# Altium PCB DM3370.PcbDoc (part 5 of 9) (continued)
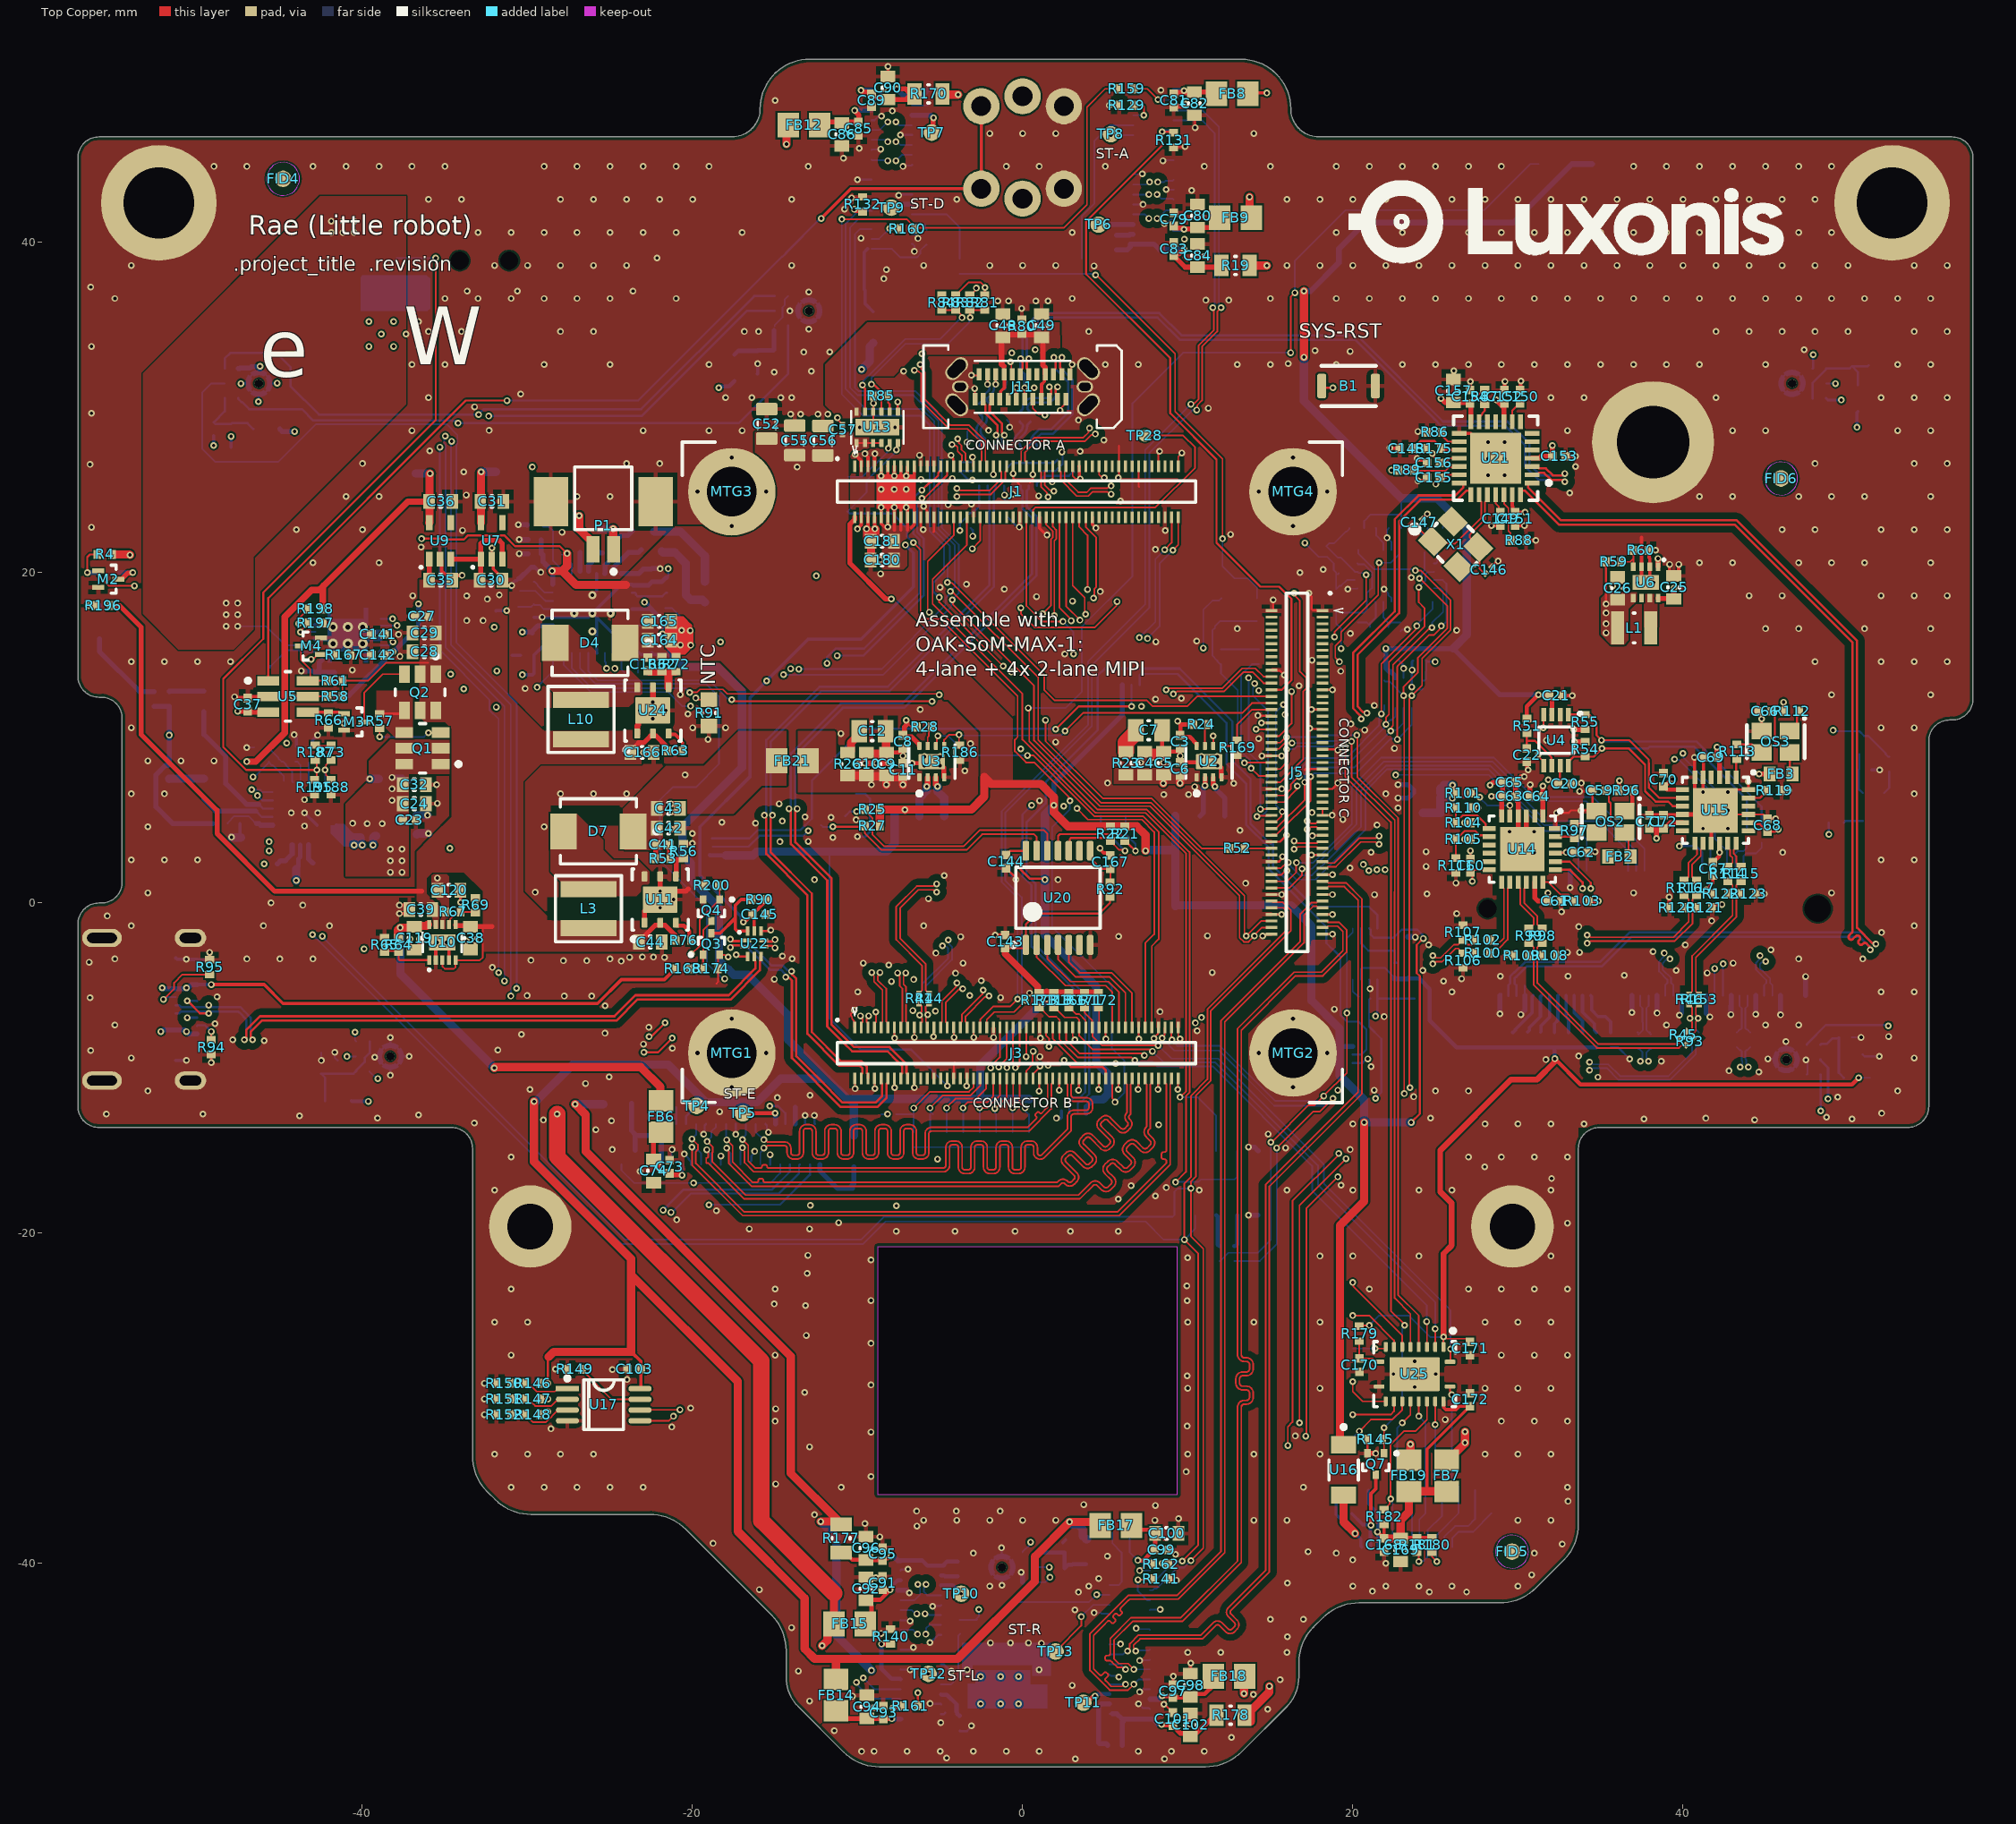
[diagram p0: Top Copper view]
## Nets (pads, with @x,y where several pads share a name; then routed paths per layer and width w, separated by ;. In a path a pad name is that pad's centre, name@x,y a point inside that pad or via, vN(x,y) a via of type N, cw(c..) or ccw(c..) an arc to the next point about the centre after c; other vN are vias at no path point) (continued)
  Bottom Copper w0.125: v1(-47.35,31.45) -47.341,31.459 MIC3.3@-46.928,31.459 ; v1(-46.3,30.35) -46.283,30.367 -46.283,30.785 MIC3.3@-46.293,30.796 ; MIC3.3@-45.596,31.457 -45.17,31.457 v1(-45.151,31.476) ; v1(-42.483,-9.554) C106.1@-42.483,-9.079 ; v1(-41.671,-9.055) -41.671,-9.379 C107.1@-41.5,-9.55 ; v1(-39.25,-9.35) -39.225,-9.325 -38.987,-9.325 MIC2.3@-38.963,-9.3 ; v1(-38.3,-10.45) MIC2.3@-38.3,-9.962 ; MIC2.3@-38.3,-8.637 v1(-38.3,-8.162) ; MIC2.3@-37.638,-9.3 v1(-37.162,-9.3) ; v1(-1.281,-39.071) -1.266,-39.087 -1.266,-39.572 MIC5.3@-1.25,-39.588 ; v1(-1.25,-41.337) MIC5.3@-1.25,-40.913 ; J10.4@0.263,-44.05 J10.4@0.263,-43.612
  Bottom Copper w0.127: U19.25@-23.657,19.287 U19.25@-23.605,19.234 ; v1(-21.808,16.292) -21.808,16.586 C126.1@-21.657,16.737 ; R165.1@-21.557,19.687 -21.462,19.782 v1(-21.462,20.237) ; v1(-20.499,-15.217) -20.494,-15.217 -20.218,-15.493 -20.218,-15.539 -20.082,-15.675 J13.27@-20.082,-15.85 ; v1(-19.318,-14.01) -19.318,-13.935 -19.261,-13.878 -19.261,-13.487 J13.24@-19.175,-13.4 ; J13.21@-18.282,-15.85 -18.28,-15.848 -18.28,-15.335 v1(-18.278,-15.332) v1@-18.278,-15.328 ; v1(-17.375,-14.025) J13.18@-17.375,-13.4 ; J13.15@-16.482,-15.675 -16.43,-15.622 -16.43,-15.334 -16.229,-15.134 v1(-16.229,-15.058) ; J13.12@-15.575,-13.4 -15.488,-13.487 -15.488,-13.736 -15.4,-13.824 v1(-15.4,-13.9) ; v1(-15.3,-15.25) -15.291,-15.259 -15.291,-15.841 J13.11@-15.282,-15.85 ; J13.4@-13.175,-13.4 v1(-13.175,-12.875) ; v1@-12.616,-12.834 v1(-12.616,-12.875) -12.596,-12.896 -12.596,-13.379 J13.2@-12.575,-13.4 ; v1(-10.35,42.7) -10.274,42.7 -10.182,42.607 J15.11@-9.15,42.607 ; v1@-10.1,4 -9.537,4 -9.25,4.287 J8.4@-9.25,5.25 -9.25,6.313 -9.537,6.6 -10.1,6.6 ; v1(-10,43.8) -9.996,43.804 -9.154,43.804 J15.15@-9.15,43.807 ; J15.21@-9.15,45.607 -9.129,45.629 -8.621,45.629 v1(-8.6,45.65) ; J15.27@-9.15,47.407 -8.975,47.407 -8.733,47.65 v1(-8.55,47.65) ; J15.31@-9.15,48.607 -8.975,48.607 -8.445,49.137 -8.445,49.286 v1(-8.392,49.34) ; v1(-7.5,42.845) -7.424,42.845 -7.37,42.9 J15.12@-6.7,42.9 ; v1(-7.397,46.504) -7.396,46.502 -6.702,46.502 J15.24@-6.7,46.5 ; J16.11@-7.387,-46.435 -7.38,-46.443 -6.82,-46.443 v1(-6.813,-46.45) ; J16.15@-7.387,-45.235 -6.823,-45.235 -6.688,-45.1 v1(-6.613,-45.1) ; J16.21@-7.387,-43.435 -7.355,-43.468 -6.845,-43.468 v1(-6.813,-43.5) ; J16.31@-7.387,-40.435 -7.348,-40.396 -6.974,-40.396 v1(-6.935,-40.357) ; v1(-7.25,44.6) -7.2,44.65 -6.75,44.65 J15.18@-6.7,44.7 ; v1(-5.613,-44.8) -5.57,-44.8 -5.113,-44.342 J16.18@-4.938,-44.342 ; v1(-5.6,-48.5) -5.579,-48.521 -4.959,-48.521 J16.4@-4.938,-48.542 ; v1(-5.444,-42.612) -5.409,-42.577 -4.972,-42.577 J16.24@-4.938,-42.542 ; J16.2@-4.938,-49.142 -4.763,-49.142 J16.2@-4.676,-49.056 ; J16.12@-4.938,-46.142 -4.763,-46.142 -4.355,-46.55 v1(-4.3,-46.55) ; R138.2@-3.813,-50.139 -3.788,-50.164 -3.364,-50.164 -3.1,-49.9 v1(-3.1,-49.845) ; C46.1@-3.8,26.71 -3.77,26.68 -3.055,26.68 U12.11@-3.025,26.65 ; C45.1@-0.95,23.4 -0.359,22.809 -0.253,22.809 v1(-0.2,22.755) ; U12.21@-0.875,26.4 -0.625,26.65 U12.20@1.275,26.65 1.94,26.65 2.1,26.81 C47.1@2.1,26.83 ; -0.75,2.7 -0.75,1.75 v1(-0.4,1.4) ; U12.5@-0.625,25.25 -0.615,25.24 -0.615,24.78 v1@-0.582,24.748 ; v1(-0.605,24.753) v1@-0.551,24.699 ; U23.2@21,-4.65 21.025,-4.675 21.025,-5.18 v1(21.05,-5.205) ; C2.1@22.805,14.667 C2.1@23.002,14.47 ; U1.6@23.079,13.622 v1(23.079,14.19) v1@23.079,14.266 ; v1(23.579,13.071) U1.7@23.579,13.622 23.579,14.59 C1.1@23.6,14.612 ; v1(23.6,14.1) C1.1@23.6,14.612 ; C1.1@23.65,14.672 23.6,14.622 C1.1@23.6,14.612 ; C1.1@23.655,14.667 C1.1@23.6,14.612 ; J9.1@28.925,-5.625 J9.1@29.012,-5.539 ; J9.7@30.425,-5.625 J9.7@30.425,-5 ; R36.2@35.625,-8.75 36.06,-8.75 v1(36.774,-9.465) ; v1@38.691,-9.6 v1(38.691,-9.596) ; v1(45.15,-9.45) 45.569,-9.45 45.602,-9.484 MIC1.3@45.602,-9.5 ; v1(46.25,-8.4) 46.257,-8.407 46.257,-8.83 MIC1.3@46.265,-8.837 ; MIC1.3@46.265,-10.162 MIC1.3@46.282,-10.18 ; v1(47.458,-9.514) 47.458,-9.589 47.55,-9.682 47.55,-10.367 MIC1.2@47.517,-10.4 ; C105.1@50.25,-8.15 v1(50.8,-8.15) ; C104.1@50.9,-9.2 51,-9.3 v1(51.9,-9.3) ; C2.1@23.002,14.47 23.079,14.393 v1@23.079,14.266 ; C2.1@23.002,14.47 23.002,14.343 v1@23.079,14.266
  Bottom Copper w0.2: J12.B12@-51.3,-9.55 v1(-50.65,-9.55) ; J12.B1@-51.3,-3.35 -51.232,-3.418 v1(-50.661,-3.418) -50.645,-3.434 -50.016,-3.434 J12.A12@-50,-3.45 -49.5,-3.45 -49.289,-3.239 -49.289,-3.039 v1(-49.25,-3) ; v1(-49,27.7) C108.1@-49,28.3 ; C109.1@-47.95,27.6 v1(-47.95,28.25) ; R194.1@-47.4,4.8 -47.4,4 C139.2@-47.35,3.95 ; v1(-44.129,10.177) -44.129,10.122 -44,9.993 R192.1@-44,9.45 ; U8.28@-43.5,5.45 U8.25@-42.75,4.7 ; R190.1@-43.15,9.45 -43.145,9.45 -43.02,9.575 -43.02,9.844 v1(-42.71,10.154) ; U8.18@-41.565,4.2 C117.1@-40.661,4.2 ; U8.17@-41.565,4.7 -41.535,4.67 -41.131,4.67 C117.1@-40.661,4.2 ; C117.1@-40.5,3.95 C117.1@-40.5,4.05 ; C117.1@-40.3,4.05 C117.1@-40.5,4.05 ; C127.1@-31.907,17.687 -31.893,17.701 v1(-31.246,17.701) ; v1@-30.984,19.046 -30.984,19.207 -30.905,19.286 -30.905,19.331 -30.724,19.512 -30.632,19.512 R164.1@-30.507,19.637 ; -30.909,14.987 C133.1@-30.407,14.987 ; C128.1@-29.607,17.287 U19.12@-28.457,17.287 -26.307,17.287 v3(-26.057,17.537) ; R163.1@-29.607,20.337 -29.557,20.337 -29.239,20.019 v1(-29.184,20.019) ; v3(-26.057,18.637) -25.807,18.887 U19.21@-25.807,19.937 ; U19.4@-25.796,15.125 U19.4@-25.807,15.137 U19.33@-25.807,17.287 ; U19.2@-24.807,15.137 -24.807,16.287 U19.33@-25.807,17.287 ; U19.25@-23.657,19.287 -24.307,19.287 v3(-26.057,17.537) ; C138.1@-22.457,15.837 -22.312,15.983 -22.117,15.983 v1(-21.808,16.292) ; C114.1@-16.062,32.034 -16.05,32.034 v1(-16.05,32.65) ; v1(2.05,-13.05) 2.3,-13.05 2.35,-13 J6.6@2.35,-12.75 J6.6@2.35,-12.624 ; C112.1@2.44,-38.747 C112.1@2.6,-38.587 ; C19.1@51.45,8.05 v1(51.92,8.05) ; C117.1@-40.661,4.2 -40.65,4.2 C117.1@-40.5,4.05 ; C117.1@-40.661,4.2 -40.656,4.194 -40.65,4.194 -40.511,4.056 -40.511,4.05 C117.1@-40.5,4.05 ; v3(-26.057,17.537) U19.33@-25.807,17.287
  Bottom Copper w0.27: U19.25@-23.605,19.234 -23.077,19.234 -23.071,19.24 -22.654,19.24 C135.1@-22.457,19.437 -21.857,19.437 -21.607,19.687 R165.1@-21.557,19.687
  Bottom Copper w0.3: MIC3.2@-47.517,32.359 -47.427,32.359 -47.406,32.38 -46.806,32.38 -46.706,32.48 v1@-46.22,32.48 ; MIC3.3@-46.265,32.121 -46.22,32.166 v1@-46.22,32.48 ; v1(-46.2,32.5) v1@-46.22,32.48 ; v1(-43.7,14.05) -43.68,14.03 -42.98,14.03 C34.1@-42.9,13.95 C34.1@-42.8,13.95 ; U18.9@-42.86,16 -41.75,16 ; U18.11@-42.85,16.8 -42.01,16.8 -41.91,16.7 v4(-41.775,16.7) ; -42.45,14.7 -42.6,14.55 -42.6,14.15 C34.1@-42.8,13.95 ; C33.1@-41.7,13.95 C34.1@-42.8,13.95 ; U18.13@-40.15,16 U18.4@-38.9,16 ; v4(-39.975,15.7) v4@-39.894,15.7 ; -39.975,16.4 U18.3@-38.89,16.4 ; v4(-39.975,16.7) v4@-39.894,16.7 ; v1(-30.55,22.9) -30.543,22.893 -30.014,22.893 C129.1@-30.007,22.887 ; R164.1@-30.507,19.637 -30.457,19.637 R164.1@-30.382,19.712 ; v1(-30.5,21.15) -30.493,21.143 -29.964,21.143 C137.1@-29.957,21.137 ; v1(-30.5,22) -30.493,21.993 -29.964,21.993 C136.1@-29.957,21.987 ; -30.257,19.887 -30.382,19.762 R164.1@-30.382,19.712 ; R163.1@-29.607,20.337 -29.757,20.337 R164.1@-30.382,19.712 ; J16.27@-7.567,-41.63 -7.061,-41.63 -6.912,-41.78 v1@-6.883,-41.78 ; v1(-0.08,-40.557) -0.08,-40.58 -0.01,-40.65 -0.01,-41.138 MIC5.2@0.002,-41.15 ; v1(13.686,-18.918) J4.10@14.266,-18.918 ; v1(13.686,-14.79) 14.041,-14.79 14.271,-15.02 J4.9@14.271,-15.023 ; v1(22.75,6.35) 23.375,6.35 23.7,6.675 C18.1@23.7,6.75 23.7,6.825 23.375,7.15 v1(22.75,7.15) ; v1(28.92,-6.726) 28.925,-6.721 J9.1@28.925,-5.625 ; v1(30.185,-6.768) 30.185,-6.739 30.425,-6.499 J9.7@30.425,-5.625 ; v1(33.175,0.925) J9.18@33.175,1.925 ; v1(36.91,-6.642) 36.925,-6.626 J9.33@36.925,-5.625 ; J9.39@38.425,-5.625 38.425,-6.661 v1(38.442,-6.678) ; v1(39.802,-6.811) 39.802,-6.782 39.925,-6.658 J9.45@39.925,-5.625 ; J9.51@41.425,-5.625 41.425,-6.691 41.642,-6.909 v1(41.642,-6.916) ; v1(42.918,-6.767) 42.918,-6.257 42.925,-6.25 J9.57@42.925,-5.625 ; v1(44.415,-6.755) 44.425,-6.745 J9.63@44.425,-5.625 ; v1(45.924,-6.788) v1(45.924,-6.788) J9.69@45.925,-5.625 ; J9.75@47.425,-5.625 47.425,-4.477 v1(47.44,-4.462)
  Bottom Copper w0.35: C158.1@23.35,-2.05 23.371,-2.071 23.775,-2.071 v1(23.786,-2.082)
  Bottom Copper w0.5: v1(-47.928,3.972) -47.907,3.95 C139.2@-47.35,3.95 ; v1(-40.5,3.5) -40.5,3.95 -40.1,3.95 -40.1,3.6 v1(-40,3.5) ; v1(-39.55,7.5) C140.1@-39,7.5 ; v1(-39.35,3.5) -39.35,3.95 -39.25,4.05 C116.1@-39.15,4.05 ; C58.1@-36.7,4.15 -36.65,4.2 v1(-36,4.2) ; C40.1@-36.7,5.3 v1(-36.05,5.3)
  other v1: 3.2,-51.85 8.6,-51.85 -4.6,-51.8 -9.75,-51.4 -8.988,-51.398 -6.988,-51.398 -4.988,-51.398 -2.988,-51.398 -0.988,-51.398 1.012,-51.398 7.012,-51.398 9.012,-51.398 11.012,-51.398 12.65,-50.55 -11.4,-50.15 -4.95,-49.655 14.85,-48.85 -8.963,-48.731 -12.9,-48.35 -10.313,-48.05 13.985,-47.95 3.012,-47.398 15.6,-47.05 -13.582,-46.534 -3.35,-46.45 1,-46.45 10.012,-45.398 12.012,-45.398 16.012,-45.398 1.15,-44.85 -1.942,-44.821 -0.733,-44.821 0.358,-44.821 16.05,-44.45 -8.565,-44.254 -14,-43.9 15.012,-43.398 17.012,-43.398 3.169,-42.834 -6.863,-41.8 3.382,-41.751 24.65,-41.75 26.9,-41.75 21.2,-41.7 -15.95,-41.6 -1.988,-41.398 4.012,-41.398 20.012,-41.398 22.012,-41.398 24.012,-41.398 26.012,-41.398 30.012,-41.398 16.05,-41.2 4.616,-40.925 -8.887,-40.872 30.85,-40.7 22.009,-40.008 20,-39.8 5.135,-39.575 -2.988,-39.398 19.012,-39.398 31.012,-39.398 17.3,-39.3 32.7,-38.85 -18.75,-38.8 -8.65,-38.4 -6.4,-37.75 -9.55,-37.6 -5.988,-37.398 -3.988,-37.398 -1.988,-37.398 0.012,-37.398 2.012,-37.398 8.012,-37.398 14.012,-37.398 16.012,-37.398 30.012,-37.398 32.012,-37.398 9.45,-37.3 -12.603,-37.065 -6.413,-36.85 -4.013,-36.85 -1.363,-36.85 8.05,-36.5 3.7,-36.45 33.05,-36.25 -30.988,-35.398 -28.988,-35.398 -26.988,-35.398 -24.988,-35.398 -22.988,-35.398 -10.988,-35.398 17.012,-35.398 33.012,-35.398 -14.95,-35.2 -9.176,-34.752 9.906,-34.46 -31.988,-33.398 -29.988,-33.398 -27.988,-33.398 -25.988,-33.398 10.012,-33.398 14.012,-33.398 18.012,-33.398 28.012,-33.398 30.012,-33.398 32.012,-33.398 -12.9,-32.95 16.521,-32.293 -9.176,-32.058 -28.57,-31.858 -21.25,-31.75 9.979,-31.7 -14.988,-31.398 29.012,-31.398 31.012,-31.398 33.012,-31.398 25.6,-31.3 -32.6,-31 -14.95,-30.65 -20.1,-30.6 -32.6,-30.05 -13.2,-29.65 10.012,-29.398 18.012,-29.398 28.012,-29.398 30.012,-29.398 32.012,-29.398 -9.176,-29.207 -32.6,-29.1 -27.595,-28.862 -23.967,-28.878 9.979,-28.65 -24.843,-28.279 -28.3,-28.25 -30.988,-27.398 -14.988,-27.398 29.012,-27.398 31.012,-27.398 33.012,-27.398 -9.176,-26.684 -13.1,-26.2 -31.988,-25.398 -29.988,-25.398 10.012,-25.398 14.012,-25.398 18.012,-25.398 28.012,-25.398 30.012,-25.398 32.012,-25.398 -13.15,-24.4 -15.05,-24.3 -9.176,-24.089 9.979,-24.1 -30.988,-23.398 -14.988,-23.398 21.012,-23.398 27.012,-23.398 29.012,-23.398 31.012,-23.398 33.012,-23.398 9.955,-23.197 -13.05,-22.45 -9.176,-21.63 10,-21.5 18.012,-21.398 20.012,-21.398 24.012,-21.398 32.012,-21.398 -13,-21.35 -4.1,-19.9 -0.45,-19.9 2.9,-19.9 5.8,-19.9 -16.55,-19.75 -12.9,-19.75 33.012,-19.398 -11.143,-19.375 -20.95,-19.2 -18.55,-18.65 -7.65,-18.35 -12.86,-18.324 5.795,-17.949 8.05,-17.75 -31.988,-17.398 10.7,-17.4 16.012,-17.398 20.012,-17.398 24.012,-17.398 26.012,-17.398 32.012,-17.398 8.707,-17.252 6.578,-17.126 19.3,-17.1 32.05,-16.7 -23.164,-16.268 -5.15,-15.524 -30.988,-15.398 27.012,-15.398 29.012,-15.398 31.012,-15.398 33.012,-15.398 -24.85,-14.95 19.85,-14.95 15.933,-14.847 14.886,-14.006 -25.85,-13.75 8.25,-13.45 20.012,-13.398 28.012,-13.398 30.012,-13.398 32.012,-13.398 34.012,-13.398 -33.217,-13.338 -24.9,-13.2 -29.027,-13.157 44.35,-13.15 37.65,-13.1 50.25,-13.1 -39.074,-13.033 24.724,-13.033 41.4,-13.05 48.701,-12.99 -43.8,-12.9 -36.598,-12.845 -55.5,-12.8 -49.65,-12.8 52.05,-12.75 -18.35,-12.65 -14.85,-11.8 49.383,-11.771 23.7,-11.75 -12.871,-11.652 -52.988,-11.398 25.012,-11.398 27.012,-11.398 53.012,-11.398 19.1,-11.35 21.3,-11.35 -29.85,-11.3 -26.474,-10.94 -25.05,-10.55 34.862,-10.56 44.6,-10.25 42.796,-10.176 21.118,-9.926 1.55,-9.85 31.7,-9.5 -53.988,-9.398 54.012,-9.398 1.046,-9.317 33.686,-9.284 -56.45,-8.95 -31.786,-8.918 -21.212,-8.81 -22.966,-8.56 -45.95,-8.35 -47.85,-8.3 52.461,-8.095 -30.353,-7.975 -25.3,-7.9 10.577,-7.761 -22.64,-7.538 -54.988,-7.398 39.012,-7.398 45.012,-7.398 47.012,-7.398 -48.926,-7.327 21.91,-6.9 8.331,-6.596 18.886,-6.446 -25.285,-6.241 -56.5,-5.75 -48.8,-5.7 -27.767,-5.652 -26.1,-5.65 -30.014,-5.626 -3.204,-5.619 0.42,-5.467 -9.988,-5.398 26.012,-5.398 52.012,-5.398 54.012,-5.398 -7.947,-4.764 25.5,-4.75 -2.504,-4.719 -6.6,-4.65 -15.032,-4.63 26.6,-4.6 28.95,-4.45 33.05,-4.45 36.45,-4.4 -4.054,-4.269 41.477,-4.247 11.491,-4.218 24.25,-4.1 39.6,-4.1 -32.121,-3.914 -8.104,-3.773 -9.65,-3.65 -3.6,-3.65 43.05,-3.65 -56.55,-3.6 -24.309,-3.535 -27.822,-3.51 -26.397,-3.51 -29.782,-3.479 -54.988,-3.398 -46.988,-3.398 -44.988,-3.398 -42.988,-3.398 -24.988,-3.398 -13.96,-3.385 47.012,-3.398 50.9,-3.4 -21.698,-3.306 -23.809,-3.302 -23.033,-3.284 -22.356,-3.292 -14.545,-3.221 29.348,-3.143 -5.25,-3.05 33,-3 33.75,-3 38.2,-2.95 45.337,-2.85 24.6,-2.55 40.15,-2.55 -35.45,-2.4 -34.9,-2.4 -3.75,-2.05 5.819,-2.036 11.2,-2 52.044,-1.798 33.7,-1.45 -53.988,-1.398 -45.988,-1.398 -41.988,-1.398 -5.988,-1.398 54.012,-1.398 41.75,-1.1 -55.45,-0.8 26.3,-0.65 32.65,-0.55 -43.6,-0.15 -45.527,0.003 -5.7,0.25 21.317,0.497 24.508,0.546 -52.988,0.602 37.012,0.602 49.012,0.602 -29.526,0.639 13.517,1.18 26.25,1.2 2.148,1.396 -12.6,1.4 -4.75,1.65 19.838,2.118 24.45,2.2 -53.988,2.602 -51.988,2.602 -49.988,2.602 52.012,2.602 54.012,2.602 29.498,3.027 30.998,3.027 21.116,3.063 46.05,3.05 34.684,3.091 24.45,3.1 -20,3.6 -14.7,3.7 -12.979,3.718 -11.5,3.95 -10.01,4.013 -20,4.2 29.498,4.307 30.998,4.307 13.176,4.393 41.225,4.5 42.725,4.5 -52.988,4.602 -28.988,4.602 21.475,4.714 -16.176,4.828 -18.219,4.872 -14.55,4.95 -10.078,5.029 19.4,5.05 -11.595,5.174 -13.184,5.204 17.534,5.459 41.225,5.6 42.725,5.6 22.75,5.75 2.492,5.859 -14.75,6 -35.457,6.027 1.023,6.185 8.555,6.56 10.062,6.56 -53.988,6.602 -51.988,6.602 -27.988,6.602 -25.988,6.602 -23.988,6.602 22.012,6.602 54.012,6.602 10.421,7.028 -35.5,7.15 5.15,7.25 12.787,7.24 -3.5,8 7.95,8.5 -52.988,8.602 -50.988,8.602 -48.988,8.602 -5.95,8.85 -5,8.85 10.85,8.85 11.8,8.85 -0.114,9.325 22.531,9.361 -3.157,9.634 2.003,9.737 31.75,9.85 -19.05,9.9 14.3,9.95 -11,10.25 20.723,10.467 -53.988,10.602 -19.988,10.602 -17.988,10.602 52.012,10.602 54.012,10.602 19.894,10.827 -41.114,10.865 15.9,11.4 -20.269,11.441 -6.2,11.7 -31.885,11.85 7.2,11.9 21.314,11.948 8.056,12.326 9.62,12.388 -20.743,12.61 49.012,12.602 55.012,12.602 14.311,12.855 -33.85,12.95 -30.13,12.975 16.75,13.15 -34.65,13.85 -0.67,13.976 19.278,14.024 -31.85,14.05 -40.6,14.1 -24.703,14.187 -14.051,14.182 -53.988,14.602 -51.988,14.602 -49.988,14.602 -47.988,14.602 48.012,14.602 52.012,14.602 54.012,14.602 56.012,14.602 17.538,14.699 -37.717,14.92 2.557,15.067 -18.3,15.8 8.081,15.81 10.55,15.85 -37.8,16.25 19.855,16.313 26.3,16.5 13.012,16.602 45.012,16.602 47.012,16.602 51.012,16.602 55.012,16.602 -32,16.7 -29.1,17.3 3.024,18.277 0.85,18.55 -36.95,18.6 44.012,18.602 46.012,18.602 52.012,18.602 54.012,18.602 56.012,18.602 4.703,18.853 -1.1,19 -5,19.1 -3.4,19.3 23.55,19.7 -12.5,19.8 -8.6,19.932 16.8,20 18.209,20.188 -42.988,20.602 -38.988,20.602 41.012,20.602 43.012,20.602 47.012,20.602 49.012,20.602 51.012,20.602 55.012,20.602 8.05,21.4 -32.153,21.487 -36.438,21.551 12.601,22.318 -27.9,22.45 8.65,22.55 -33.924,22.557 -43.988,22.602 -39.988,22.602 46.012,22.602 48.012,22.602 52.012,22.602 54.012,22.602 56.012,22.602 -9.45,22.65 -56.4,22.75 -3.1,24.15 -40.988,24.602 -38.988,24.602 -26.988,24.602 -24.988,24.602 41.012,24.602 43.012,24.602 47.012,24.602 49.012,24.602 51.012,24.602 55.012,24.602 -33.7,24.7 33.147,24.821 -6.15,25.65 -4.25,25.7 28.2,25.9 29.2,25.9 -33.858,26.096 33.493,26.42 -56.5,26.55 -39.988,26.602 -23.988,26.602 -21.988,26.602 48.012,26.602 54.012,26.602 56.012,26.602 28.2,26.9 29.2,26.9 3.488,27.343 -35.91,27.373 29.2,27.9 4.92,28.02 -36.988,28.602 -32.322,28.61 -22.988,28.602 -18.988,28.602 -16.988,28.602 33.012,28.602 43.012,28.602 45.012,28.602 53.012,28.602 55.012,28.602 3.39,29.233 -14.05,29.6 -13.45,29.6 -12.4,29.6 -11.8,29.6 -56.4,29.65 11.257,29.956 -33.197,30.039 -35.988,30.602 -17.988,30.602 -16.4,30.6 -14.65,30.6 -13.988,30.602 32.012,30.602 34.012,30.602 42.012,30.602 52.012,30.602 54.012,30.602 56.012,30.602 -30.403,30.821 -15.05,32.15 -12.8,32.2 -7.2,32.2 -36.988,32.602 -34.988,32.602 -28.988,32.602 -24.988,32.602 -18.988,32.602 5.012,32.602 7.012,32.602 13.012,32.602 15.012,32.602 19.012,32.602 23.012,32.602 25.012,32.602 27.012,32.602 29.012,32.602 31.012,32.602 33.012,32.602 35.012,32.602 37.012,32.602 39.012,32.602 41.012,32.602 45.012,32.602 53.012,32.602 55.012,32.602 16.091,32.663 -6.1,33.25 -0.65,33.3 -13.25,33.35 -11.681,33.36 19.85,33.4 17.718,33.438 47.35,33.5 0.768,33.503 -56.4,33.7 -39.6,33.7 -38.1,33.7 -36.6,33.7 -38.85,34.45 -37.35,34.45 -35.988,34.602 -33.988,34.602 -27.988,34.602 -25.988,34.602 -16.85,34.6 -15.988,34.602 4.012,34.602 42.012,34.602 44.012,34.602 46.012,34.602 48.012,34.602 50.012,34.602 54.012,34.602 56.012,34.602 -12.95,34.75 -39.6,35.2 -38.1,35.2 -36.6,35.2 -14.1,35.85 -0.05,36 -1.5,36.45 -0.85,36.45 0.8,36.45 1.55,36.45 11.1,36.5 12.5,36.5 -54.988,36.602 -34.988,36.602 -32.988,36.602 -30.988,36.602 -28.988,36.602 -26.988,36.602 -24.988,36.602 -20.988,36.602 3.012,36.602 15.012,36.602 19.012,36.602 21.012,36.602 23.012,36.602 25.012,36.602 27.012,36.602 29.012,36.602 31.012,36.602 33.012,36.602 35.012,36.602 37.012,36.602 39.012,36.602 41.012,36.602 43.012,36.602 45.012,36.602 47.012,36.602 49.012,36.602 51.012,36.602 53.012,36.602 55.012,36.602 -12.95,37 -33.65,37.05 -30.6,37.05 -23.6,37.05 -56.45,37.3 -8.4,37.8 -8.25,38.35 4.324,38.578 -53.988,38.602 -31.988,38.602 -29.988,38.602 -27.988,38.602 -25.988,38.602 -23.988,38.602 -13.988,38.602 -5.988,38.602 -1.988,38.602 0.012,38.602 2.012,38.602 16.012,38.602 18.012,38.602 20.012,38.602 22.012,38.602 24.012,38.602 26.012,38.602 28.012,38.602 30.012,38.602 32.012,38.602 34.012,38.602 36.012,38.602 38.012,38.602 40.012,38.602 42.012,38.602 44.012,38.602 46.012,38.602 48.012,38.602 50.012,38.602 54.012,38.602 56.012,38.602 -22.15,39.05 9.8,40.2 -9.783,40.259 -34.988,40.602 -32.988,40.602 -30.988,40.602 -28.988,40.602 -26.988,40.602 -24.988,40.602 -22.988,40.602 -20.988,40.602 -16.988,40.602 3.012,40.602 19.012,40.602 21.012,40.602 23.012,40.602 25.012,40.602 27.012,40.602 29.012,40.602 31.012,40.602 33.012,40.602 35.012,40.602 37.012,40.602 39.012,40.602 41.012,40.602 43.012,40.602 45.012,40.602 47.012,40.602 49.012,40.602 -10.787,42.007 -35.988,42.602 -33.988,42.602 -27.988,42.602 -25.988,42.602 -23.988,42.602 -21.988,42.602 -19.988,42.602 -13.988,42.602 -3.988,42.602 16.012,42.602 18.012,42.602 20.012,42.602 22.012,42.602 24.012,42.602 26.012,42.602 28.012,42.602 30.012,42.602 32.012,42.602 34.012,42.602 36.012,42.602 38.012,42.602 40.012,42.602 42.012,42.602 44.012,42.602 46.012,42.602 48.012,42.602 10.25,43.15 -48.988,44.602 -46.988,44.602 -42.988,44.602 -40.988,44.602 -38.988,44.602 -36.988,44.602 -34.988,44.602 -28.988,44.602 -26.988,44.602 -24.988,44.602 -22.988,44.602 -20.988,44.602 -18.988,44.602 -12.988,44.602 -0.988,44.602 1.012,44.602 5.012,44.602 11.012,44.602 15.012,44.602 19.012,44.602 21.012,44.602 23.012,44.602 25.012,44.602 27.012,44.602 29.012,44.602 37.012,44.602 39.012,44.602 41.012,44.602 43.012,44.602 45.012,44.602 47.012,44.602 49.012,44.602 -10.85,45.1 -9.9,45.7 -1.988,46.602 0.012,46.602 2.012,46.602 14.012,46.602 5.25,48.3 -14.988,48.602 8.383,49.222
  other v2: -17.615,-11.176 16.385,-11.176 -19.69,-9.101 -15.54,-9.101 18.46,-9.101 -17.615,-7.026 16.385,-7.026 -17.615,22.824 16.385,22.824 -19.69,24.899 -15.54,24.899 14.31,24.899 18.46,24.899 -17.615,26.974 16.385,26.974
  other v3: -21.95,-0.304 -22.75,0.196 -21.15,0.196 -22.4,11.15 -23.2,11.65 -21.6,11.65 -26.057,16.437 -27.157,17.537 -24.957,17.537
  other v4: -41.775,15.7 -40.875,15.7 -40.875,16.7
  other v5: 38.25,19.4
HALL_A1: J7.6 R22.1 U20.10 | length 7.2
  Top Copper w0.102: R22.1@5.319,3.731 5.369,3.731 5.543,3.557 5.543,3.507 5.842,3.208 v1@6.142,3.208
  Top Copper w0.127: U20.10@2.8,3.15 2.86,3.21 2.86,3.847 2.935,3.921 5.279,3.921 R22.1@5.3,3.9
  Bottom Copper w0.127: J7.6@4.75,5.25 4.75,4.15 5.037,3.864 5.486,3.864 v1(6.2,3.15)
HALL_A2: J8.6 R27.1 U20.13 | length 15.3
  Top Copper w0.102: R27.1@-9.55,4.65 -9.55,4.2 -8.55,3.2 -3.4,3.2 -2.45,4.15 0.7,4.15 0.85,4 U20.13@0.85,3.15
  Top Copper w0.127: v1(-11.5,4.6) -9.6,4.6 R27.1@-9.55,4.65
  Bottom Copper w0.102: J8.6@-12.214,4.714 -12.1,4.6 v1(-11.5,4.6)
HALL_B1: J7.5 R21.1 U20.11 | length 8.3
  Top Copper w0.127: U20.11@2.15,3.15 2.15,4.047 2.259,4.156 5.922,4.156 R21.1@6.178,3.9 ; R21.1@6.196,3.731 6.358,3.57 6.413,3.57 v1(6.843,3.14)
  Bottom Copper w0.127: J7.5@6.25,5.25 6.25,4.15 6.843,3.557 v1(6.843,3.14)
HALL_B2: J8.5 R25.1 U20.12 | length 15.5
  Top Copper w0.102: R25.1@-9.55,5.65 -9.55,5.6 -9.1,5.15 -9.1,4.15 -8.366,3.416 -3.584,3.416 -2.6,4.4 1.3,4.4 1.5,4.2 U20.12@1.5,3.15
  Top Copper w0.127: v1(-10.05,5.532) -9.668,5.532 R25.1@-9.55,5.65
  Bottom Copper w0.127: J8.5@-10.75,5.25 -10.468,5.532 v1(-10.05,5.532)
HUB_USB_D_N: U21.21 U22.6 | length 61.3
  Top Copper w0.14: U22.6@-15.681,-2.681 -15.512,-2.681 -15.446,-2.615 -15.186,-2.615 -15.072,-2.729 v1(-15,-2.729) ; v1(20.512,11.138) 20.461,11.189 20.461,11.35 20.024,11.788 20.024,15.124 22.55,17.65 22.55,23.228 23.997,24.674 26.22,24.674 26.7,25.154 26.7,25.352 26.625,25.427 U21.21@26.452,25.427
  PWR w0.102: v1(-15,-2.729) -14.933,-2.729 -14.788,-2.584 -14.343,-2.584 -6.928,4.83 11.476,4.83 13.696,7.05 15.141,7.05 19.669,11.578 20.277,11.578 20.464,11.39 20.464,11.185 v1(20.512,11.138)
HUB_USB_D_P: U21.22 U22.7 | length 61
  Top Copper w0.14: U22.7@-15.681,-2.281 -15.512,-2.281 -15.446,-2.348 -15.186,-2.348 -15.072,-2.234 v1(-15,-2.234) ; v1(20.862,11.488) 20.811,11.539 20.65,11.539 20.291,11.898 20.291,15.013 22.817,17.539 22.817,23.117 24.107,24.407 26.331,24.407 26.889,24.965 27.087,24.965 27.162,24.89 U21.22@27.162,24.717
  PWR w0.102: v1(-15,-2.234) -14.933,-2.234 -14.788,-2.378 -14.428,-2.378 -7.014,5.036 11.391,5.036 13.611,7.256 15.056,7.256 19.584,11.784 20.362,11.784 20.61,11.536 20.815,11.536 v1(20.862,11.488)
I2C0_SCL: J1.27 J16.7 U17.6 | length 93.9
  Top Copper w0.102: U17.6@-23.175,-30.725 -23.163,-30.712 -20.762,-30.712 v1(-20.75,-30.7) ; J1.27@-4.968,26.439 J1.27@-4.968,26.699
  Top Copper w0.127: v1(-6.095,25) -5.627,25.468 -5.527,25.468 -5.113,25.882 -5.113,26.034 -4.968,26.179 J1.27@-4.968,26.439
  PWR w0.102: v1(-11.852,14.512) -19.177,7.187 -19.177,0.413 -21.069,-1.479 -21.069,-4.615 -23.964,-7.51 -23.964,-17.07 -20.75,-20.285 v1(-20.75,-30.7) -17.004,-34.446 -17.004,-38.322 -10.895,-44.43 -10.895,-45.787 -9.732,-46.95 v1(-9.65,-46.95)
  Bottom Copper w0.102: v1(-9.65,-46.95) -8.965,-47.635 J16.7@-7.387,-47.635
  Bottom Copper w0.127: v1(-11.852,14.512) -11.852,14.872 -11.324,15.4 -9.6,15.4 -6.25,18.75 -6.25,22.001 -6.609,22.361 -6.609,24.511 -6.121,25 v1(-6.095,25)
I2C0_SDA: J1.29 J16.5 U17.5 | length 95
  Top Copper w0.102: U17.5@-23.175,-31.375 -21.425,-31.375 v1(-21.15,-31.1) ; J1.29@-4.568,26.439 J1.29@-4.568,26.699
  Top Copper w0.127: v1(-6.095,24.505) -6.042,24.558 -5.913,24.558 -4.568,25.903 J1.29@-4.568,26.439
  PWR w0.102: v1(-11.233,14.971) -11.619,14.971 -11.64,14.95 -11.93,14.95 -19.38,7.5 -19.38,7.149 -19.396,7.134 -19.396,0.504 -21.288,-1.388 -21.288,-4.459 -24.2,-7.37 -24.2,-17.419 -21.15,-20.469 v1(-21.15,-31.1) -17.449,-34.801 -17.449,-38.344 -11.256,-44.537 -11.256,-46.028 v1(-10.067,-47.217)
  Bottom Copper w0.102: v1(-10.067,-47.217) -10.009,-47.275 -10.009,-47.379 -9.174,-48.215 -7.408,-48.215 J16.5@-7.387,-48.235
  Bottom Copper w0.127: v1(-11.233,14.971) -9.635,14.971 -6,18.606 -6,22.075 -6.381,22.456 -6.381,24.143 -6.095,24.429 v1(-6.095,24.505) v1@-6.121,24.505
I2C1_SCL: J3.39 J14.7 | length 64.4
  Top Copper w0.102: J3.39@-2.568,-7.561 -2.568,-7.087 -1.753,-6.272 -0.734,-6.272 v1(-0.297,-5.836) ; v1(10.2,30.2) 10.258,30.258 10.417,30.258 10.673,30.514 10.673,33.773 11.591,34.691 11.591,35.838 11.586,35.843 11.586,35.992 v1(11.527,36.05)
  Bottom Copper w0.102: v1(-0.297,-5.836) -0.297,0.297 -1.256,1.256 -1.256,5.546 3.961,10.763 3.961,14.614 7.426,18.08 7.426,27.427 v1(10.2,30.2) ; J14.7@9.15,47.393 10.857,47.393 11.65,46.6 11.65,36.173 v1(11.527,36.05)
I2C1_SDA: J3.41 J14.5 | length 65.5
  Top Copper w0.102: J3.41@-2.168,-7.561 -2.168,-7.087 -1.7,-6.618 -0.518,-6.618 v1(0.193,-5.907) ; v1(10.55,29.85) 10.575,29.875 10.575,30.125 10.878,30.428 10.878,33.69 11.794,34.606 11.794,35.814 12.023,36.042 v1(12.023,36.05)
  Bottom Copper w0.102: v1(0.193,-5.907) 0.193,-5.83 0.058,-5.695 0.058,-5.688 -0.046,-5.584 -0.046,0.333 -1.053,1.34 -1.053,5.445 4.2,10.698 4.2,14.38 7.676,17.856 7.676,27.23 10.291,29.844 10.544,29.844 v1(10.55,29.85) ; J14.5@9.15,47.993 10.907,47.993 11.9,47 11.9,36.173 v1(12.023,36.05)
I2C2_SCL: J1.98 J13.7 | length 75.2
  Top Copper w0.102: v1(8.606,21.383) 9.032,21.809 J1.98@9.032,23.359
  PWR w0.102: v1(-21.775,-18.615) -23.684,-16.706 -23.684,-16.539 -23.723,-16.5 -23.723,-16.036 -23.684,-15.997 -23.684,-7.593 -20.734,-4.643 -20.734,-1.618 -18.826,0.29 -18.826,6.852 -18.774,6.905 -18.774,6.926 -9.73,15.97 6.906,15.97 6.997,16.061 v1(7.079,16.061)
  Bottom Copper w0.102: v1(7.079,16.061) 8.048,17.03 8.048,20.825 v1(8.606,21.383)
  Bottom Copper w0.127: v1(-21.775,-18.615) -20.529,-17.369 -15.169,-17.369 -14.091,-16.291 -14.091,-15.859 J13.7@-14.082,-15.85
I2C2_SDA: J1.100 J13.5 | length 76
  Top Copper w0.102: v1(9.1,21.35) 9.432,21.682 J1.100@9.432,23.359
  PWR w0.102: v1(-21.298,-18.748) -21.298,-18.666 -21.419,-18.544 -21.419,-18.467 -21.628,-18.259 -21.767,-18.259 -23.392,-16.634 -23.392,-16.543 -23.519,-16.415 -23.519,-16.121 -23.392,-15.993 -23.392,-7.75 -20.515,-4.873 -20.515,-1.709 -18.623,0.184 -18.623,6.768 -9.685,15.705 7.297,15.705 7.571,15.979 v1(7.571,16.007)
  Bottom Copper w0.102: v1(7.571,16.007) 8.304,16.739 8.304,20.554 v1(9.1,21.35)
  Bottom Copper w0.127: v1(-21.298,-18.748) -21.222,-18.748 -20.081,-17.607 -14.757,-17.607 -13.536,-16.386 -13.536,-15.904 J13.5@-13.482,-15.85